# Allegro board BRD-05058-03_A1.brd (continued)
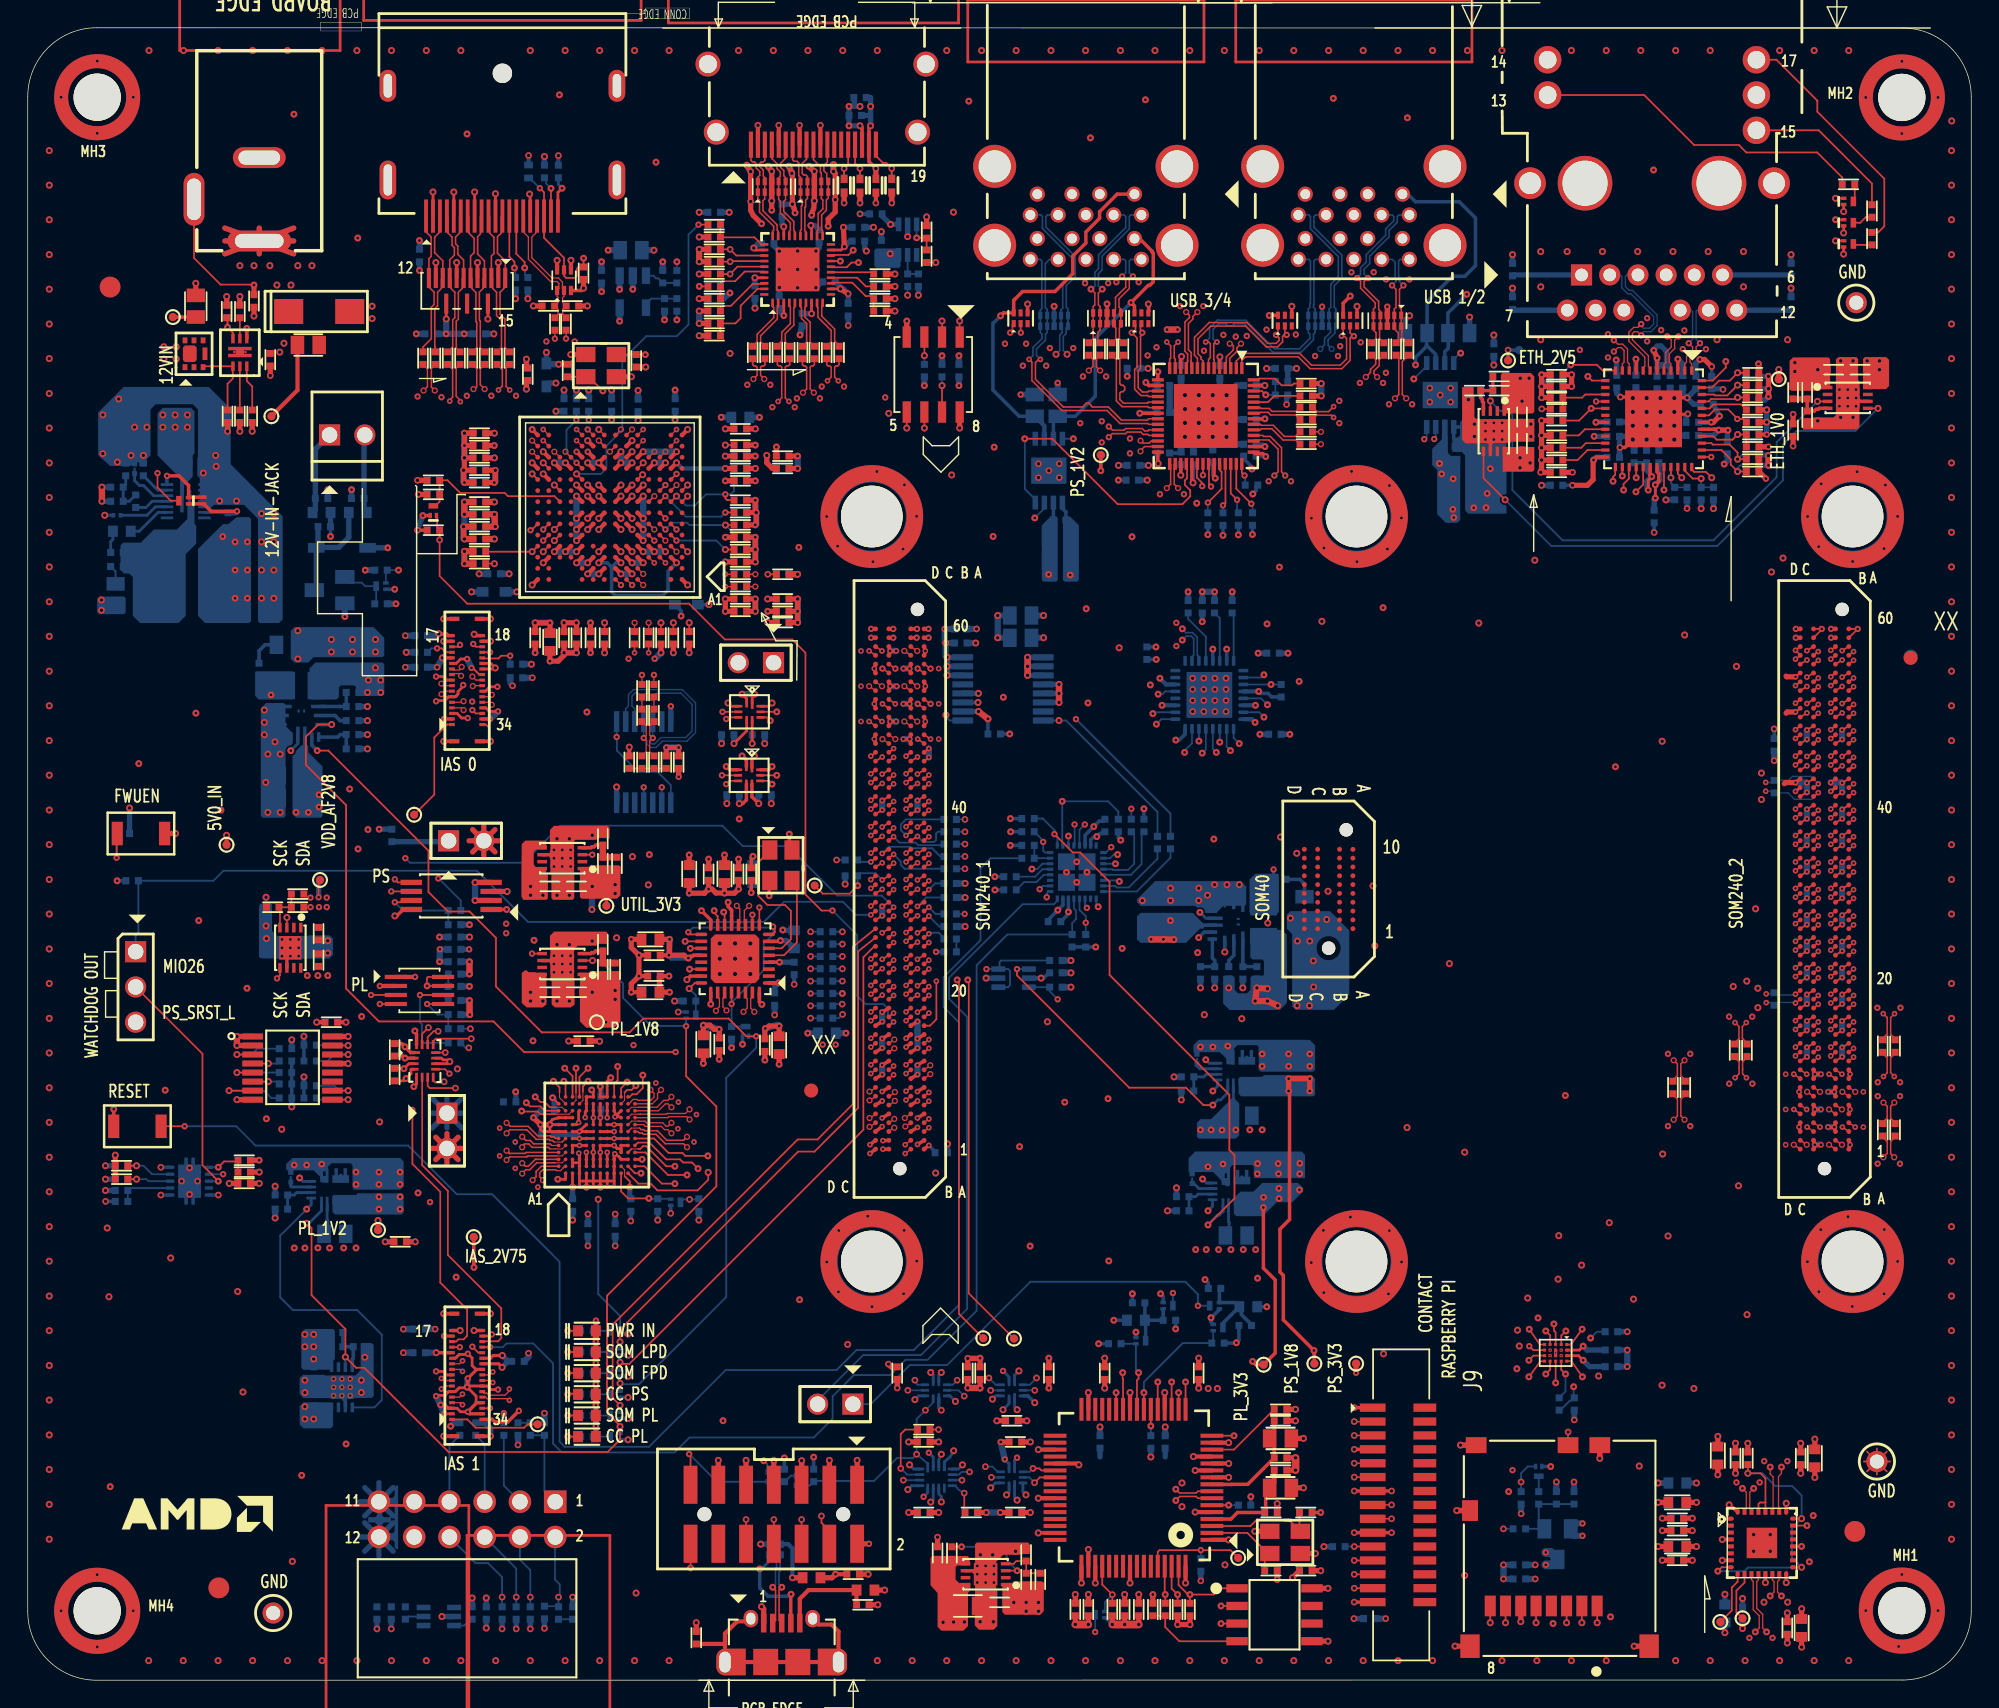
[diagram p0: board, top side]
## Copper pours and planes (outline as drawn; the poured copper is in the pictures) (continued)
GND on L05_SIG: 84.12,63.04 112.82,63.04 116.25,59.61 116.25,32.56 113.97,30.27 88.43,30.27 81.58,37.12 81.58,60.5
GND on L05_SIG: 9.83,89.2 10.21,89.2 11.35,88.06 11.35,81.58 15.67,77.26 23.29,77.26 25.45,79.42 25.45,81.45 25.32,81.58 30.91,87.17 30.91,90.47 11.1,90.47
GND on L05_SIG: 1.32,93.26 1.32,78.41 6.27,73.45 10.59,73.45 12.24,75.1 12.24,76.88 7.67,81.45 7.67,88.06 8.81,89.2 8.81,91.49 7.03,93.26
GND on L05_SIG: 68.5,117.52 129.21,117.52 138.73,108 138.73,74.47 135.17,70.91 129.84,70.91 122.6,78.15 122.6,85.52 128.19,91.11 128.19,97.58 126.54,99.23 109.14,99.23 97.71,110.66 90.6,110.66 85.39,105.46 68.88,105.46 66.09,108.25 66.09,115.11
GND on L05_SIG: 75.23,33.96 83.74,25.45 83.74,23.03 78.53,17.83 75.1,17.83 72.82,20.11 72.82,33.19 73.58,33.96
GND on L05_SIG: 46.27,117.65 11.1,117.65 1.32,107.87 1.32,92.63 5,88.95 29.51,88.95 30.91,90.34 30.91,94.28 33.7,97.07 44.5,97.07 46.66,99.23 46.66,108.25 47.04,108.63 47.04,116.89
GND on L06_GND: 0.68,0.7 0.68,118.32 139.32,118.32 139.32,0.71
GND on L07_PWR: 3.22,98.34 23.8,98.34 25.7,100.25 25.7,103.55 37.38,115.24 37.38,117.01 36.11,118.28 3.09,118.28 0.68,115.87 0.68,100.88
GND on L07_PWR: 49.68,7.94 63.02,7.94 65.15,5.8 65.15,1.66 64.21,0.72 60.94,0.72 59.24,2.42 49.48,2.42 47.75,0.7 1.65,0.7 0.69,1.66 0.69,27.24 1.7,28.26 5.46,28.26 13.72,20 43.56,20 44.2,19.37 44.2,13.42
GND on L08_PWR: 25.32,2.71 25.32,16.18 24.05,17.45 2.33,17.45 0.68,15.79 0.68,3.22 3.22,0.68 23.29,0.68
GND on L09_GND: 0.69,0.69 0.69,118.3 139.31,118.3 139.31,0.7
GND on L10_SIG: 71.04,69.13 71.04,74.72 73.33,77.01 79.29,77.01 80.44,75.87 80.44,71.93 76.25,67.74 72.44,67.74
GND on L10_SIG: 73.58,103.55 73.58,103.86 86.99,90.45 86.99,89.28 78.28,80.56 70.15,80.56 61.69,89.02 61.69,91.41 67.74,97.46 67.74,102.03 69.26,103.55
GND on L10_SIG: 50.72,104.31 60.63,104.31 61.9,103.04 61.9,96.82 54.78,89.71 54.78,86.79 54.91,86.66 54.91,85.39 52.5,82.98 51.61,82.98 49.96,84.63 49.96,103.55
GND on L11_GND: 0.69,0.69 0.69,118.31 139.31,118.31 139.31,0.7 ; 16 cut-outs
GND on L12_SIG: 11.73,118.28 128.19,118.28 139.24,107.23 139.24,18.33 135.94,15.03 135.94,24.43 122.3,24.43 122.3,0.81 11.6,0.81 0.69,11.72 0.8,107.35 ; 10 cut-outs
GND on L13_GND: 0.69,0.69 0.69,118.31 139.32,118.31 139.32,0.7 ; 16 cut-outs
VDD_AF2V8 on TOP: 21.61,56.94 19.65,56.94 19.45,56.74 19.45,54.76 19.54,54.67 19.57,54.54 19.57,54.02 19.58,54.01 21.74,54.01 21.86,54.14 21.86,56.68
VDD_AF2V8 on BOTTOM: 32.53,54.61 32.79,54.86 34.54,54.86 34.82,54.58 34.82,43.1 34.54,42.82 34.54,40.81 33.1,39.37 29,39.37 28.6,39.77 28.6,41.98 28.98,42.36 31.64,42.36 32.53,43.25
VDD_AF2V8 on L05_SIG: 21.05,61.59 34.77,61.59 35.05,61.31 35.05,53.51 34.46,52.93 21.97,52.93 19.6,55.29 19.6,60.14
VDD_AF2V8_J7 on TOP: 33.57,68.09 32.61,68.09 32.46,68.25 32.46,68.88 33.98,68.88 34.34,69.24 35.61,69.24 35.94,68.91 35.94,61.41 33.57,59.05 32.23,59.05 30.6,60.67 30.6,65.68 31.47,66.54 32.97,66.54 33.83,67.41 33.83,67.84
VDD_AF2V8_J8 on TOP: 28.85,37.36 28.85,39.06 29.36,39.57 31.44,39.57 39.47,31.54 39.47,27.4 38.35,26.28 38.35,19.22 38.12,18.99 35.1,18.99 35.1,29.79 31.19,33.71 31.19,35.02
(no net) on TOP: 39.39,52.66 39.63,52.89 41.51,52.89 41.79,53.02 41.79,53.78 41.68,53.91 37.92,53.91 37.62,53.61 37.62,50.43 37.74,50.31 37.74,48.66 37.98,48.45 39.12,48.45 39.39,48.66
(no net) on TOP: 69.85,3.91 69.85,6.41 69.76,6.49 69.76,8.52 70.27,9.03 72.18,9.03 72.18,9.79 72.05,9.92 68.37,9.92 68.24,9.79 68.24,4.84 68.22,4.82 68.22,3.94 68.53,3.64 69.57,3.64
(no net) on TOP: 42.57,58.69 42.7,58.56 42.7,56.53 42.44,56.28 39.9,56.28 39.77,56.4 39.77,58.56 39.9,58.69
(no net) on TOP: 106.12,94.01 106.25,94.14 108.28,94.14 108.53,93.89 108.53,91.35 108.41,91.22 106.25,91.22 106.12,91.35
(no net) on TOP: 39.37,60.44 39.44,60.51 41.79,60.51 41.91,60.64 41.91,61.4 41.79,61.53 37.92,61.53 37.62,61.23 37.59,58.23 37.72,58.1 37.72,56.32 37.85,56.2 39.25,56.2 39.37,56.32
(no net) on TOP: 104.34,90.84 104.21,90.97 104.21,93.12 103.33,93.12 103.33,89.31 103.58,89.06 106.75,89.06 106.88,89.19 108.53,89.19 108.53,90.84
(no net) on TOP: 130.25,91.11 130.09,90.94 127.92,90.94 127.87,90.89 127.87,90.11 127.92,90.05 131.74,90.05 131.96,90.27 131.96,93.53 131.85,93.63 131.85,95.14 131.73,95.29 130.43,95.29 130.25,95.11
(no net) on TOP: 132.34,95.29 132.21,95.16 132.21,93.2 132.25,93.11 132.38,92.98 133.86,92.98 134.09,93.2 134.09,95.08 133.88,95.29
(no net) on TOP: 42.57,51.07 42.7,50.94 42.7,47.42 42.26,46.98 40.23,46.99 39.77,47.44 39.77,50.94 39.9,51.07
(no net) on TOP: 67.9,6.47 67.9,7 67.1,7 66.84,7.25 66.84,8.14 66.97,8.27 67.86,8.27 67.86,8.78 67.69,8.94 65.16,8.94 65.03,8.82 65.03,6.84 65.54,6.28 65.54,3.84 65.82,3.56 67.4,3.56 67.73,3.9 67.73,6.3
(no net) on TOP: 73.06,7.13 73.19,7 73.19,4.97 72.94,4.71 70.4,4.71 70.2,4.91 70.2,6.93 70.4,7.13
(no net) on TOP: 127.04,92.85 126.92,92.98 126.92,95.01 127.17,95.26 129.71,95.26 129.84,95.14 129.84,92.98 129.71,92.85
(no net) on TOP: 37.47,56.28 37.47,57.97 37.34,58.1 37.34,58.48 37.23,58.56 36.6,58.56 36.45,58.74 36.45,59.63 36.58,59.75 37.21,59.75 37.34,59.88 37.36,60.09 37.36,60.34 37.23,60.47 35.84,60.47 35.58,60.21 35.56,58.17 35.56,56.42 35.69,56.2 37.34,56.2
(no net) on TOP: 108.53,88.81 106.37,88.81 106.25,88.68 106.25,87.03 108.41,87.03 108.53,87.16
(no net) on TOP: 37.36,48.66 37.36,50.81 37.23,50.94 37.09,50.99 36.07,50.99 35.94,51.12 35.82,51.12 35.58,50.94 35.58,48.78 35.71,48.66 35.94,48.45 37.09,48.45
(no net) on BOTTOM: 19.84,22 21.35,22 21.4,21.94 23.6,21.94 23.98,22.33 23.98,24.23 24.03,24.28 24.78,24.28 24.92,24.14 24.92,20.46 24.79,20.33 23.52,20.32 23.44,20.24 21.84,20.24 21.77,20.32 19.86,20.32 19.58,20.6 19.58,21.77
(no net) on BOTTOM: 20.37,70.62 20.3,70.7 20.3,72.86 20.4,72.96 20.72,73.29 25.55,73.29 25.68,73.17 25.68,71.01 25.55,70.88 23.65,70.88 23.65,71.52 23.52,71.64 22.56,71.64 22.41,71.49 22.41,70.78 22.25,70.62
(no net) on BOTTOM: 16.08,83.63 15.95,83.76 15.06,83.76 14.43,83.25 14.04,83.25 12.27,81.47 12.27,76.65 12.77,76.14 15.95,76.14 16.08,76.27
(no net) on BOTTOM: 11,85.03 11,86.55 9.35,88.2 9.35,91.25 9.73,91.63 11.76,91.63 12.01,91.38 12.01,88.34 11.89,88.21 11.89,86.68 11.25,86.04 11.25,85.03
(no net) on BOTTOM: 61.11,103.11 62.76,103.11 62.89,102.98 62.89,101.84 62.76,101.71 61.11,101.71 60.98,101.84 60.98,102.98
(no net) on BOTTOM: 86.89,44.34 86.51,44.34 86.38,44.46 86.38,44.72 85.88,45.23 84.43,45.23 84.43,44.97 83.97,44.97 83.97,45.73 84.35,46.12 92.35,46.12 92.73,45.73 92.73,43.96 92.61,43.83 88.8,43.83 88.67,43.96 88.67,45.61 88.54,45.73 87.15,45.73 86.89,45.48
(no net) on BOTTOM: 22.12,25.16 21.99,25.29 19.96,25.29 19.71,25.03 19.71,22.49 19.84,22.37 21.99,22.37 22.12,22.49
(no net) on BOTTOM: 106.52,90.82 103.41,90.82 102.62,90.04 102.62,88.45 103.29,88.45 103.55,88.19 103.55,84.23 103.78,84 106.52,84
(no net) on BOTTOM: 22.02,34.94 23.64,34.94 23.77,35.07 26.95,35.07 27.07,34.94 27.07,33.67 26.95,33.54 22.12,33.54 21.95,33.72 21.95,34.86
(no net) on BOTTOM: 19.07,66.69 19.84,67.45 19.84,68.09 20.09,68.09 20.22,67.96 20.22,66.82 21.23,65.8 21.23,62.24 21.11,62.12 19.33,62.12 19.07,62.37
(no net) on BOTTOM: 101.17,88.67 101.87,89.37 101.87,90.76 101.9,90.79 102.26,90.79 102.29,90.76 102.29,88.39 102.51,88.17 103.2,88.17 103.2,87.53 103.2,87.52 103.2,83.56 102.98,83.35 102.15,83.35 101.53,83.97 101.53,87.16 101.17,87.52
(no net) on BOTTOM: 21.61,35.83 21.23,35.83 21.11,35.96 21.11,36.21 20.6,36.72 19.07,36.72 19.07,36.46 18.82,36.46 18.82,36.72 18.69,36.72 18.62,36.78 18.62,37.18 19.07,37.61 26.82,37.61 27.07,37.35 27.07,35.57 26.82,35.32 23.52,35.32 23.39,35.45 23.39,37.1 23.26,37.23 21.87,37.23 21.61,36.97 ; 1 cut-out
(no net) on BOTTOM: 88.06,53.96 88.14,54.04 90.35,54.04 90.71,53.68 90.71,48.79 90.19,48.27 86.57,48.27 86.11,48.73 86.11,50.68 86.17,50.74 86.82,50.74 86.94,50.61 86.94,49.72 87.2,49.47 87.83,49.47 88.09,49.72 88.09,50.61 88.21,50.74 88.97,50.74 89.05,50.81 89.05,51.78 88.93,51.9 88.22,51.9 88.06,52.06
(no net) on BOTTOM: 86.55,35.58 86.09,35.58 86.02,35.63 86.02,35.95 85.39,36.6 84.01,36.6 84.01,36.35 83.75,36.35 83.71,36.52 83.63,36.6 83.63,37.59 84.11,38.08 91.77,38.08 92.01,37.84 92.01,36.16 88.32,36.16 88.32,36.98 88.2,37.11 86.8,37.11 86.6,36.9 86.6,35.63 ; 1 cut-out
(no net) on BOTTOM: 17.17,70.37 16.79,69.99 16.79,62.24 16.91,62.12 18.44,62.12 18.57,62.24 18.57,66.94 19.07,67.45 19.07,68.21 18.57,68.72 18.57,70.25 18.44,70.37
(no net) on BOTTOM: 7.06,77.92 7.06,76.9 6.93,76.77 5.15,76.77 5,76.93 5,77.89 5.15,78.04 6.93,78.04
(no net) on BOTTOM: 20.6,73.67 25.55,73.67 25.68,73.8 25.68,75.07 24.92,75.83 19.2,75.83 18.95,75.58 18.95,73.55 19.2,73.29 20.22,73.29
(no net) on BOTTOM: 87.27,41.54 87.27,39.26 87.02,39 84.35,39 84.22,39.13 84.22,40.15 84.48,40.4 85.24,40.4 86.89,42.05 87.02,41.8
(no net) on BOTTOM: 87.35,35.18 88.29,35.18 88.94,35.81 91.51,35.81 91.88,35.43 91.88,35.21 91.1,34.42 89.98,34.42 88.98,33.42 87.06,33.42 86.88,33.6 86.88,34.72
(no net) on BOTTOM: 19.07,70.63 16.64,70.63 16.38,70.88 16.38,72.61 16.43,72.66 19.07,72.66 19.13,72.6 19.13,70.67
(no net) on BOTTOM: 19.58,19.74 19.86,20.01 21.81,20.01 21.99,19.83 21.99,19.19 22,18.31 21.82,18.13 19.86,18.13 19.58,18.41
(no net) on BOTTOM: 11.5,83.63 11.5,84.77 11.63,84.9 12.01,84.52 12.01,83.25 12.14,83.12 12.14,81.85 11.38,81.09 11.38,76.65 10.87,76.14 8.08,76.14 7.57,76.65 7.57,79.44 7.31,79.69 6.93,79.69 6.68,79.95 6.68,81.73 6.87,81.92 8.14,81.92 9.09,82.87 10.74,82.87
(no net) on BOTTOM: 87.33,43.45 88.92,43.45 89.05,43.58 92.48,43.58 92.74,43.32 92.74,42.18 92.61,42.05 87.4,42.05 87.23,42.23 87.23,43.34
(no net) on BOTTOM: 88.09,55.26 88.01,55.33 88.01,57.65 88.44,58.08 90.07,58.08 90.12,58.03 90.12,55.33 90.07,55.26
(no net) on BOTTOM: 87.78,57.16 87.4,57.55 81.22,57.55 79.91,56.23 79.91,56.02 80.16,55.77 84.1,55.77 84.61,55.26 85.62,55.26 86.13,55.77 87.65,55.77 87.78,55.89
(no net) on BOTTOM: 83.92,55.26 84.68,54.5 85.49,54.5 85.49,54.25 84.8,54.25 84.67,54.12 84.45,54.12 83.43,53.1 80.16,53.1 79.91,53.35 79.91,55.01 80.16,55.26
(no net) on BOTTOM: 73.05,83.17 73.68,83.8 74.06,83.8 74.19,83.68 74.19,79.23 74.06,79.1 73.18,79.1 73.05,79.23
(no net) on BOTTOM: 75.08,83.8 74.7,83.8 74.57,83.68 74.57,79.23 74.7,79.1 75.59,79.1 75.72,79.23 75.72,83.17
(no net) on BOTTOM: 91.08,53.74 91.08,48.53 91.34,48.27 94.1,48.27 95.28,49.46 95.2,49.42 95.2,54 93.8,55.39 90.96,55.39 90.7,55.13 90.7,54.12
(no net) on BOTTOM: 18.36,76.39 18.11,76.14 16.71,76.14 16.58,76.27 16.58,83.63 15.57,84.65 13.41,84.65 13.16,84.39 12.39,84.39 12.39,86.55 12.21,86.73 12.21,88.02 12.27,88.08 12.27,91.51 11.89,91.89 9.22,91.89 8.84,91.51 8.84,88.2 8.58,87.95 8.58,87.44 5.94,87.44 5.07,88.21 5.07,91.3 6.89,93.13 13.05,93.13 14.62,91.56 14.62,87.56 18.36,83.81
(no net) on L05_SIG: 51.79,101.03 52.95,102.19 57.24,102.19 58.57,103.52 59.97,103.52 60.86,102.63 60.86,100.95 61.11,100.69 62.38,100.69 63.4,101.71 63.4,110.22 62.51,111.11 62.51,114.16 62.38,114.28 48.28,114.28 48.16,114.16 48.16,107.08 47.52,106.44 47.52,101.23 47.78,100.98 48.16,100.98 48.2,101.03
DP_3V3 on L12_SIG: 37.09,107.75 37.35,108 39.25,108 42.43,104.83 42.43,101.91 43.06,101.27 43.06,99.49 41.92,98.35 40.01,98.35 37.09,101.27
ETH_1V0 on TOP (solid shape): 129.84,95.14 129.84,92.98 129.83,92.97 129.31,92.97 129.18,92.94 129.09,92.85 127.04,92.85 126.92,92.98 126.92,95.01 127.17,95.26 129.71,95.26
ETH_1V0 on L10_SIG: 130.09,87.55 125.65,83.1 107.23,83.1 106.6,83.74 106.6,93.9 107.87,95.17 107.87,97.07 108.51,97.71 122.42,97.71 123.96,96.17 128.46,96.17 130.09,94.53
ETH_2V5 on TOP (solid shape): 108.53,93.89 108.53,91.35 108.41,91.22 106.25,91.22 106.24,91.23 106.24,91.75 106.21,91.87 106.12,91.97 106.12,94.01 106.25,94.14 108.28,94.14
ETH_2V5 on L05_SIG: 119.66,91.68 105.93,91.63 104.92,92.89 104.93,95.9 106.04,97.01 125.93,97.01 127.02,95.92 127.02,92.44 126.26,91.68
HDMI_5V0 on BOTTOM (solid shape): 62.85,103.01 62.85,102.14 62.86,102.07 62.89,101.99 62.89,101.84 62.76,101.71 61.11,101.71 60.98,101.84 60.98,102.98 61.11,103.11 62.76,103.11
HDMI_5V0 on L05_SIG (solid shape): outline of 2403 points within 47.52,100.69 63.4,114.28
IAS_2V75 on BOTTOM (solid shape): 22.12,25.16 22.12,23.11 22.03,23.02 22,22.9 22,22.37 21.99,22.37 19.84,22.37 19.71,22.49 19.71,25.03 19.96,25.29 21.99,25.29
IAS_2V75 on L10_SIG: 34.04,38.79 34.04,23.68 32.65,22.28 18.17,22.28 16.9,23.55 16.9,36.12 21.34,40.57 21.34,47.42 20.45,48.31 18.17,48.31 16.9,49.58 16.9,68.13 25.11,76.34 32.7,76.34 33.4,75.64 33.49,75.64 33.49,68.07 24.26,58.85 24.26,53.01 29.76,47.51 29.76,43.07
PL_1V2 on BOTTOM (solid shape): 27.07,34.94 27.07,33.67 26.95,33.54 22.12,33.54 21.95,33.72 21.95,34.86 22.02,34.94 23.64,34.94 23.77,35.07 26.95,35.07
PL_1V2 on BOTTOM: 39.12,39.8 36.71,39.8 36.58,39.68 36.58,38.92 37.35,38.15 39.76,38.15 39.89,38.03 39.89,37.77 40.01,37.65 41.92,37.65 42.04,37.77 42.04,37.9 42.17,38.03 42.55,38.03 42.68,38.15 42.68,40.19 42.55,40.31 42.3,40.31 42.17,40.44 42.17,40.82 42.3,40.95 43.44,40.95 44.08,40.31 44.08,38.28 42.81,37.01 42.81,33.84 42.55,33.33 40.14,33.33 39.89,33.58 39.89,35.23 39.76,35.49 39.76,35.74 38.49,37.01 36.96,37.01 35.57,38.41 35.57,39.55 35.31,39.8 35.31,40.19 35.95,40.82 36.58,40.82 36.96,40.44 38.23,40.44 39.38,41.58 39.38,42.34 39.76,42.73 40.52,42.73 41.41,43.61 42.43,43.61 42.68,43.36 42.68,42.47 42.55,42.34 41.03,42.34 40.9,42.22 40.9,41.33 40.39,40.82 40.39,40.44 40.27,40.31 40.01,40.31 39.89,40.44 39.5,40.44 39.25,40.19 39.25,39.93
PL_1V2 on BOTTOM: 41.79,42.34 41.79,41.2 42.17,40.82 43.31,40.82 43.44,40.95 43.44,41.71 42.68,42.47 41.92,42.47
PL_1V2 on L05_SIG: 14.61,76.25 31.57,76.25 37.47,70.34 37.47,64.4 35.35,62.28 20.75,62.28 18.72,60.24 18.72,54.78 29,44.5 34.97,44.5 37.38,46.91 45.39,46.91 46.27,46.02 46.27,33.87 44.37,31.97 44.37,29.89 34.87,20.39 33.37,20.39 32.39,19.41 32.39,18.09 31.76,17.45 28.58,17.45 27.31,16.18 27.31,10.47 28.98,8.9 72.1,8.9 83.19,19.99 116.21,19.99 118.75,21.9 118.75,67.43 120.35,69.02 133.86,69.02 138.44,64.44 138.44,20.33 138.22,20.33 138.44,20.12 138.44,9.83 130.18,1.58 10.17,1.58 1.91,9.83 1.91,68.25 6.36,72.7 10.86,72.7 ; 2 cut-outs
PL_1V2 on L08_PWR: 51.44,39.04 64.78,39.04 66.68,37.14 66.68,30.14 59.07,22.53 45.73,22.53 45.09,21.9 33.03,21.9 32.39,22.53 32.39,26.34 31.76,26.98 26.68,26.98 26.07,27.75 26.04,32.69 24.53,34.3 24.53,34.94 24.77,35.23 24.77,37.77 26.04,39.04 29.24,39.04 36.2,32.07 36.2,32.06 36.84,31.42 47,31.42 47.63,32.06 47.63,35.23 ; 1 cut-out
PL_1V8 on TOP (solid shape): 42.7,50.94 42.7,47.42 42.26,46.99 40.23,46.99 39.77,47.44 39.77,50.94 39.78,50.95 40.3,50.95 40.43,50.98 40.52,51.07 42.57,51.07
PL_1V8 on L07_PWR: 37.47,60.63 43.19,54.92 43.23,54.66 43.57,54.31 43.57,48.69 41.92,47.04 34.93,47.04 33.03,48.95 33.03,55.17 24.65,63.55 24.65,72.44 26.8,74.6 36.84,74.6 37.47,73.97
PL_1V8 on L08_PWR: 75.57,59.42 76.07,59.91 79.32,59.91 80.02,59.22 80.02,30.15 81.92,28.25 118.22,28.25 126.37,19.99 137.17,19.99 138.44,18.72 138.44,9.83 130.18,1.57 27.22,1.57 26.08,2.71 26.08,25.75 26.68,26.34 31.12,26.34 31.76,25.71 31.76,21.9 32.39,21.26 45.73,21.26 46.36,21.9 59.72,21.9 67.32,29.5 67.32,38.41 66.05,39.68 50.81,39.68 47,35.87 47,32.69 46.36,32.06 37.47,32.06 36.84,32.69 36.84,32.67 29.83,39.68 19.06,39.68 18.42,40.31 18.42,49.2 19.06,49.84 32.81,49.84 35.35,47.3 39.38,47.3 40.01,47.93 40.01,54.28 40.65,54.92 59.06,54.92 59.7,54.28 59.7,48.57 60.33,47.93 74.94,47.93 75.57,48.57
PL_3V3 on BOTTOM (solid shape): 91.88,35.43 91.88,35.21 91.1,34.42 89.98,34.42 88.98,33.42 87.06,33.42 86.88,33.6 86.88,34.72 87.35,35.18 88.29,35.18 88.94,35.81 91.51,35.81
PL_3V3 on BOTTOM: 31.5,5.26 31.5,5.64 31.63,5.77 33.28,5.77 33.41,5.9 33.41,6.91 33.15,7.17 30.49,7.17 29.98,6.78 29.98,5.26 30.23,5.01 31.25,5.01
PL_3V3 on L10_SIG: 117.39,78.66 137.08,78.66 138.35,77.39 138.35,10.71 129.08,1.44 11.1,1.44 1.82,10.71 1.82,47.54 20.24,47.54 20.87,46.91 20.87,42.46 16.43,38.02 16.43,22.78 17.7,21.51 32.94,21.51 36.11,18.33 36.11,17.06 36.58,16.54 37.58,15.55 45.09,15.55 46.36,16.82 46.36,32.69 47,33.33 50.17,33.33 52.6,30.9 52.6,14.99 58.53,9.2 60.33,9.2 63.51,6.02 67.42,6.02 69.96,3.48 73.09,3.48 74.06,4.46 81.05,4.46 82,3.51 85.81,3.51 86.28,3.73 93.26,3.73 94.53,5 94.53,10.71 95.17,11.35 104.06,11.35 104.56,10.71 104.53,9.2 106.69,7.04 122.82,7.04 124.85,9.07 124.85,27.23 118.75,33.33 89.85,33.33 88.08,35.1 82.69,35.1 79.76,38.03 79.76,40.67 77.84,42.6 63,42.6 62.49,43.11 62.49,46.54 63,47.04 95.13,47.04 105.96,46.91 116.76,57.07 116.76,78.02 ; 2 cut-outs
PL_3V3 on L10_SIG: 1.82,43.73 1.82,108.38 10.21,116.76 129.46,116.76 138.35,107.87 138.35,77.39 136.44,75.48 118.03,75.48 118.03,53.89 109.14,45 74.85,45 74.21,45.64 74.21,46.91 93.26,65.96 93.26,86.28 73.29,106.26 33.87,106.26 29.76,102.15 29.76,86.28 32.3,83.74 32.3,79.29 30.4,77.39 24.05,77.39 15.79,69.13 15.79,48.18 17.7,46.27 17.7,43.73 ; 1 cut-out
PMOD_3V3 on BOTTOM (solid shape): 25.53,11.86 25.66,11.74 26.17,11.74 26.17,11.36 25.66,11.36 25.53,11.23 25.53,10.98 25.15,10.98 25.15,11.23 25.03,11.36 24.52,11.36 24.52,11.74 25.03,11.74 25.15,11.86 25.15,12.12 25.53,12.12
PMOD_3V3 on BOTTOM (solid shape): 26.68,9.45 26.55,9.45 26.42,9.58 26.42,9.96 26.3,10.09 26.04,10.09 26.04,10.59 26.3,10.59 26.42,10.72 26.42,12.5 26.3,12.63 26.04,12.63 26.04,13.13 26.3,13.13 26.42,13.26 26.42,13.9 26.55,14.02 26.68,14.02
PMOD_3V3 on BOTTOM: 29.22,5.26 28.96,5.01 24.01,5.01 22.99,6.02 22.99,14.15 23.38,14.53 26.17,14.53 26.68,14.02 26.68,8.82 27.06,8.44 27.57,8.44 29.22,6.78
PS_1V2 on BOTTOM (solid shape): 25.68,73.17 25.68,71.01 25.55,70.88 23.65,70.88 23.65,71.52 23.52,71.64 23.19,71.64 22.69,71.64 22.56,71.64 22.41,71.49 22.41,70.78 22.25,70.62 20.37,70.62 20.3,70.7 20.3,72.86 20.4,72.96 20.72,73.29 25.55,73.29
PS_1V2 on TOP: 24.79,73.3 24.61,73.3 22.96,71.65 22.96,68.73 23.85,67.84 25.91,67.84 26.57,68.5 26.57,73.53 26.14,73.96 25.45,73.96
PS_1V2 on L08_PWR: 92.72,83.49 68.59,83.49 60.33,75.24 36.2,75.24 33.66,72.7 31.76,72.7 27.31,68.25 17.8,68.25 15.88,70.17 15.88,87.3 26.31,97.73 50.54,97.73 52.08,96.19 72.77,96.2 73.79,95.19 75.19,95.19 76.2,96.2 86.12,96.19 89.66,92.65 94.99,92.65 95.26,92.38 95.26,86.03 ; 1 cut-out
PS_1V2_SW on BOTTOM (solid shape): 19.13,72.6 19.13,70.67 19.07,70.63 16.64,70.63 16.38,70.88 16.38,72.61 16.43,72.66 19.07,72.66
PS_1V8 on BOTTOM (solid shape): 92.74,43.32 92.74,42.18 92.61,42.05 87.4,42.05 87.23,42.23 87.23,43.34 87.33,43.45 88.92,43.45 89.05,43.58 92.48,43.58
PS_1V8 on L07_PWR: 120.66,31.42 116.21,26.98 116.21,24.44 115.58,23.8 76.21,23.8 73.67,21.26 71.13,21.26 65.41,15.55 65.41,11.1 62.93,8.56 50.17,8.56 45.09,13.64 45.09,19.36 43.82,20.63 13.98,20.63 1.91,32.69 1.91,77.78 3.82,79.68 25.79,79.68 27.31,81.21 27.31,83.49 27.95,84.13 28.84,84.13 29.22,83.75 29.22,76.51 27.95,75.24 26.68,75.24 24.01,72.57 24.01,63.17 32.39,54.79 32.39,48.69 34.68,46.41 42.17,46.41 44.2,48.44 44.2,51.36 44.58,51.74 48.01,51.74 48.28,51.45 48.27,48.19 47.25,47.17 47.25,45.14 50.43,41.96 80.62,41.96 83.64,44.98 89.79,44.98 91.45,46.64 91.45,54.57 90.65,55.37 59.39,55.37 52.37,62.39 52.37,62.58 52.39,66.42 51.84,66.97 51.84,69.95 53.32,71.43 72.4,71.43 73.03,72.06 73.03,77.1 76.88,80.95 90.17,80.95 92.72,83.49 107.32,83.49 109.23,85.4 109.23,87.56 108.97,87.81 108.99,88.28 108.34,88.95 107.83,88.95 106.69,90.1 106.69,92.51 109.42,95.24 126.8,95.24 127.3,94.73 127.3,86.27 120.66,79.63 ; 2 cut-outs
PS_3V3 on TOP (solid shape): 108.53,87.16 108.41,87.03 106.25,87.03 106.25,88.68 106.37,88.81 108.53,88.81
PS_3V3 on TOP (solid shape): 134.09,95.08 134.09,93.2 133.86,92.98 132.38,92.98 132.25,93.11 132.21,93.2 132.21,95.16 132.34,95.29 133.88,95.29
PS_3V3 on BOTTOM (solid shape): 90.71,53.68 90.71,48.79 90.19,48.27 86.57,48.27 86.11,48.73 86.11,50.68 86.17,50.74 86.82,50.74 86.94,50.61 86.94,49.72 87.2,49.47 87.83,49.47 88.09,49.72 88.09,50.61 88.21,50.74 88.97,50.74 89.05,50.81 89.05,51.14 89.05,51.64 89.05,51.78 88.93,51.9 88.22,51.9 88.06,52.06 88.06,53.96 88.14,54.04 90.35,54.04
PS_3V3 on TOP: 107.36,13.25 107.36,11.86 107.49,11.73 108.47,11.73 110.76,9.44 112.95,9.44 113.33,9.83 113.33,13.25 111.81,14.78 108.89,14.78
PS_3V3 on BOTTOM: 51.33,57.23 47.14,57.23 46.43,56.51 46.43,55.75 47.17,55.02 48.89,55.02 49.4,55.52 50.37,55.52 50.57,55.73 50.57,56.29 50.9,56.62 51.33,56.62 51.46,56.74 51.46,57.1
PS_3V3 on L07_PWR: 40.44,117.15 130.18,117.15 138.44,108.89 138.44,9.83 130.18,1.58 67.95,1.58 66.05,3.48 66.05,14.92 71.76,20.63 74.3,20.63 76.84,23.17 116.21,23.17 116.85,23.8 116.85,26.34 121.29,30.79 121.29,79.05 127.94,85.9 127.94,94.88 126.63,96.19 109.23,96.19 105.42,92.38 105.42,89.21 106.05,88.57 107.83,88.57 108.47,87.94 108.47,85.52 107.32,84.13 92.46,84.13 90.04,81.71 76.5,81.71 73.15,78.36 60.28,78.36 58.43,76.51 58.43,72.7 57.79,72.06 51.77,72.06 51.18,71.47 51.18,66.36 51.79,65.87 51.79,62 58.9,54.89 90.17,54.89 90.81,54.24 90.81,47.15 89.02,45.36 83.36,45.36 80.6,42.6 50.81,42.6 47.89,45.52 47.89,46.92 48.9,47.93 48.94,48.31 48.94,51.74 47.33,53.27 45.22,53.27 44.46,54.03 44.46,54.92 38.74,60.63 38.74,74.6 37.76,75.87 31.12,75.87 29.85,77.14 29.85,84.13 29.22,84.76 27.31,84.76 26.84,85.23 26.84,103.55 ; 3 cut-outs
PS_3V3 on L10_SIG: 37.21,48.77 37.21,48.39 36.2,47.37 32,47.37 31.5,47.88 31.5,49.78 27.81,53.47 26.8,53.47 25.91,54.36 25.91,57.15 34.67,65.91 35.43,65.91 38.35,68.83 45.97,68.83 46.74,68.07 46.74,67.31 39.37,59.94 39.37,50.93
PS_3V3_SW on BOTTOM (solid shape): 89.58,58.07 89.66,58.04 89.74,58.03 89.83,58.04 89.91,58.07 89.92,58.08 90.07,58.08 90.12,58.03 90.12,55.33 90.07,55.26 88.09,55.26 88.01,55.33 88.01,57.65 88.44,58.08 89.56,58.08
SDIO_VDD on TOP: 110.12,4.75 110.12,9.07 107.7,11.48 105.93,11.48 105.54,11.1 105.54,10.09 106.43,9.2 107.45,9.2 107.96,8.69 107.96,7.17 108.34,6.78 108.97,6.78 109.35,6.4 109.35,4.75
SOM_5V0 on L07_PWR: 60.33,77.65 59.44,76.76 59.44,73.33 60.97,71.81 71.51,71.81 72.16,72.4 72.16,76.68 71.33,77.65
STDP4320_AVDD12_OSC on L08_PWR: 32.79,92.72 35.96,92.72 37.23,93.99 38.5,93.99 40.41,92.09 44.22,92.09 44.22,87.01 35.33,87.01 35.33,88.91 32.79,88.91
USB_JTAG_FLTR on TOP (solid shape): 67.86,8.78 67.86,8.27 66.97,8.27 66.84,8.14 66.84,7.25 67.1,7 67.9,7 67.9,6.83 67.9,6.79 67.9,6.47 67.73,6.3 67.73,3.9 67.4,3.56 65.82,3.56 65.54,3.84 65.54,6.28 65.03,6.84 65.03,8.82 65.16,8.94 67.69,8.94
USB_JTAG_FLTR on L08_PWR: 67.7,12.25 62.11,12.25 60.71,10.85 57.79,10.85 56.27,9.32 56.27,7.67 57.03,6.91 63.25,6.91 63.89,6.28 63.89,5.13 65.29,3.74 67.32,3.74 67.7,4.12
USB_JTAG_VBUS on L12_SIG: 52.6,4.33 61.24,4.33 62,5.09 62,7 61.36,7.63 61.36,7.89 60.86,8.4 59.33,8.4 59.27,8.33 59.21,8.4 53.87,8.4 52.47,7 52.47,4.46
USB_JTAG_VCORE on BOTTOM: 75.05,16.7 78.39,16.7 79.44,15.64 81.15,15.64 81.42,15.91 81.42,16.45 81.58,16.62 85.63,16.62 85.85,16.4 86.89,16.4 87.53,15.76 87.53,13.83 86.79,13.09 84.15,13.09 83.92,12.86 83.92,6.77 83.7,6.54 80.97,6.54 80.29,5.86 74.88,5.86 74.32,6.41 74.32,15.97
USB_PWRD_VCCIO on TOP (solid shape): 73.19,7 73.19,4.97 72.94,4.71 70.4,4.71 70.2,4.91 70.2,6.93 70.28,7.01 70.8,7.01 70.92,7.04 71.02,7.13 73.06,7.13
USB_PWRD_VCCIO on BOTTOM: 88.52,24.96 88.52,27.53 88.69,27.71 89.99,27.71 91.97,25.73 91.97,19.48 91.59,19.1 84.81,19.1 83.97,19.93 83.97,21.64 86.03,23.69 86.03,24.61 86.18,24.76 88.31,24.76
USB_PWRD_VCCIO on L10_SIG: 93.75,5.73 93.75,19.06 92.48,20.33 86.76,20.33 84.86,22.24 84.86,23.03 79.77,28.12 71.69,28.12 68.67,25.1 60.39,25.06 54.11,25.06 53.38,24.33 53.38,15.52 59.06,9.83 60.97,9.83 64.14,6.66 67.95,6.66 70.49,4.12 73.03,4.12 74.06,5.09 81.05,5.09 82.32,3.82 85.49,3.82 86.13,4.46 92.48,4.46
UTIL_3V3 on TOP (solid shape): 42.7,58.56 42.7,56.53 42.44,56.28 39.9,56.28 39.77,56.4 39.77,58.56 39.78,58.57 40.3,58.57 40.43,58.6 40.52,58.69 42.57,58.69
UTIL_3V3 on BOTTOM: 120.04,14.53 120.04,13.59 119.3,12.85 119.3,8.58 119.71,8.18 121.18,8.18 121.41,8.41 122.63,8.41 122.96,8.74 122.96,11.23 121.21,12.98 121.21,14.5 120.98,14.73 120.24,14.73
UTIL_3V3 on BOTTOM: 41.48,58.65 40.26,58.65 39.95,58.34 39.95,55.73 40.44,55.24 43.05,55.24 45.01,57.2 45.01,58.22 43.61,59.61 42.44,59.61
UTIL_3V3 on L10_SIG: 54.28,74.21 68.32,74.21 70.32,72.21 70.32,69.42 68.03,67.13 62.08,67.13 61.63,66.69 59.82,65.08 59.82,44.83 62.66,41.92 77.24,41.92 79.13,40.07 79.13,37.77 82.36,34.54 87.75,34.54 89.85,32.44 118.37,32.44 123.74,27.07 123.74,8.73 122.56,7.54 107.08,7.54 105.33,9.29 105.33,11.35 104.69,11.98 95.8,11.98 94.53,13.25 94.53,19.6 93.21,20.87 86.86,20.87 85.49,22.24 85.49,23.01 79.87,28.63 70.75,28.63 67.83,25.71 59.06,25.71 50.81,33.96 47,33.96 45.73,32.69 45.73,17.45 44.46,16.18 38.11,16.18 37.22,17.18 37.22,19.23 34.8,21.65 34.8,43.56 37.72,46.48 37.72,48.26 40,50.55 40,59.94 ; 2 cut-outs
UTIL_3V3 on L12_SIG: 25.53,76.58 33.15,76.58 37.97,71.75 37.97,52.96 38.73,52.2 41.78,52.2 46.1,56.51 46.1,67.06 40.13,73.02 38.48,73.02 37.34,74.17 37.34,77.34 36.2,78.49 25.53,78.49 25.02,77.98 25.02,77.09
N1063132 on TOP (solid shape): 51.73,0.34 50.23,0.34 49.8,0.52 49.62,0.96 49.62,1.67 49.8,2.1 50.23,2.28 51.73,2.28
N1063132 on TOP (solid shape): 58.41,2.28 58.84,2.1 59.02,1.67 59.02,0.96 58.84,0.52 58.41,0.34 56.91,0.34 56.91,2.28
